# KiCad board Smart LED WS2812B Ring7.kicad_pcb (continued)
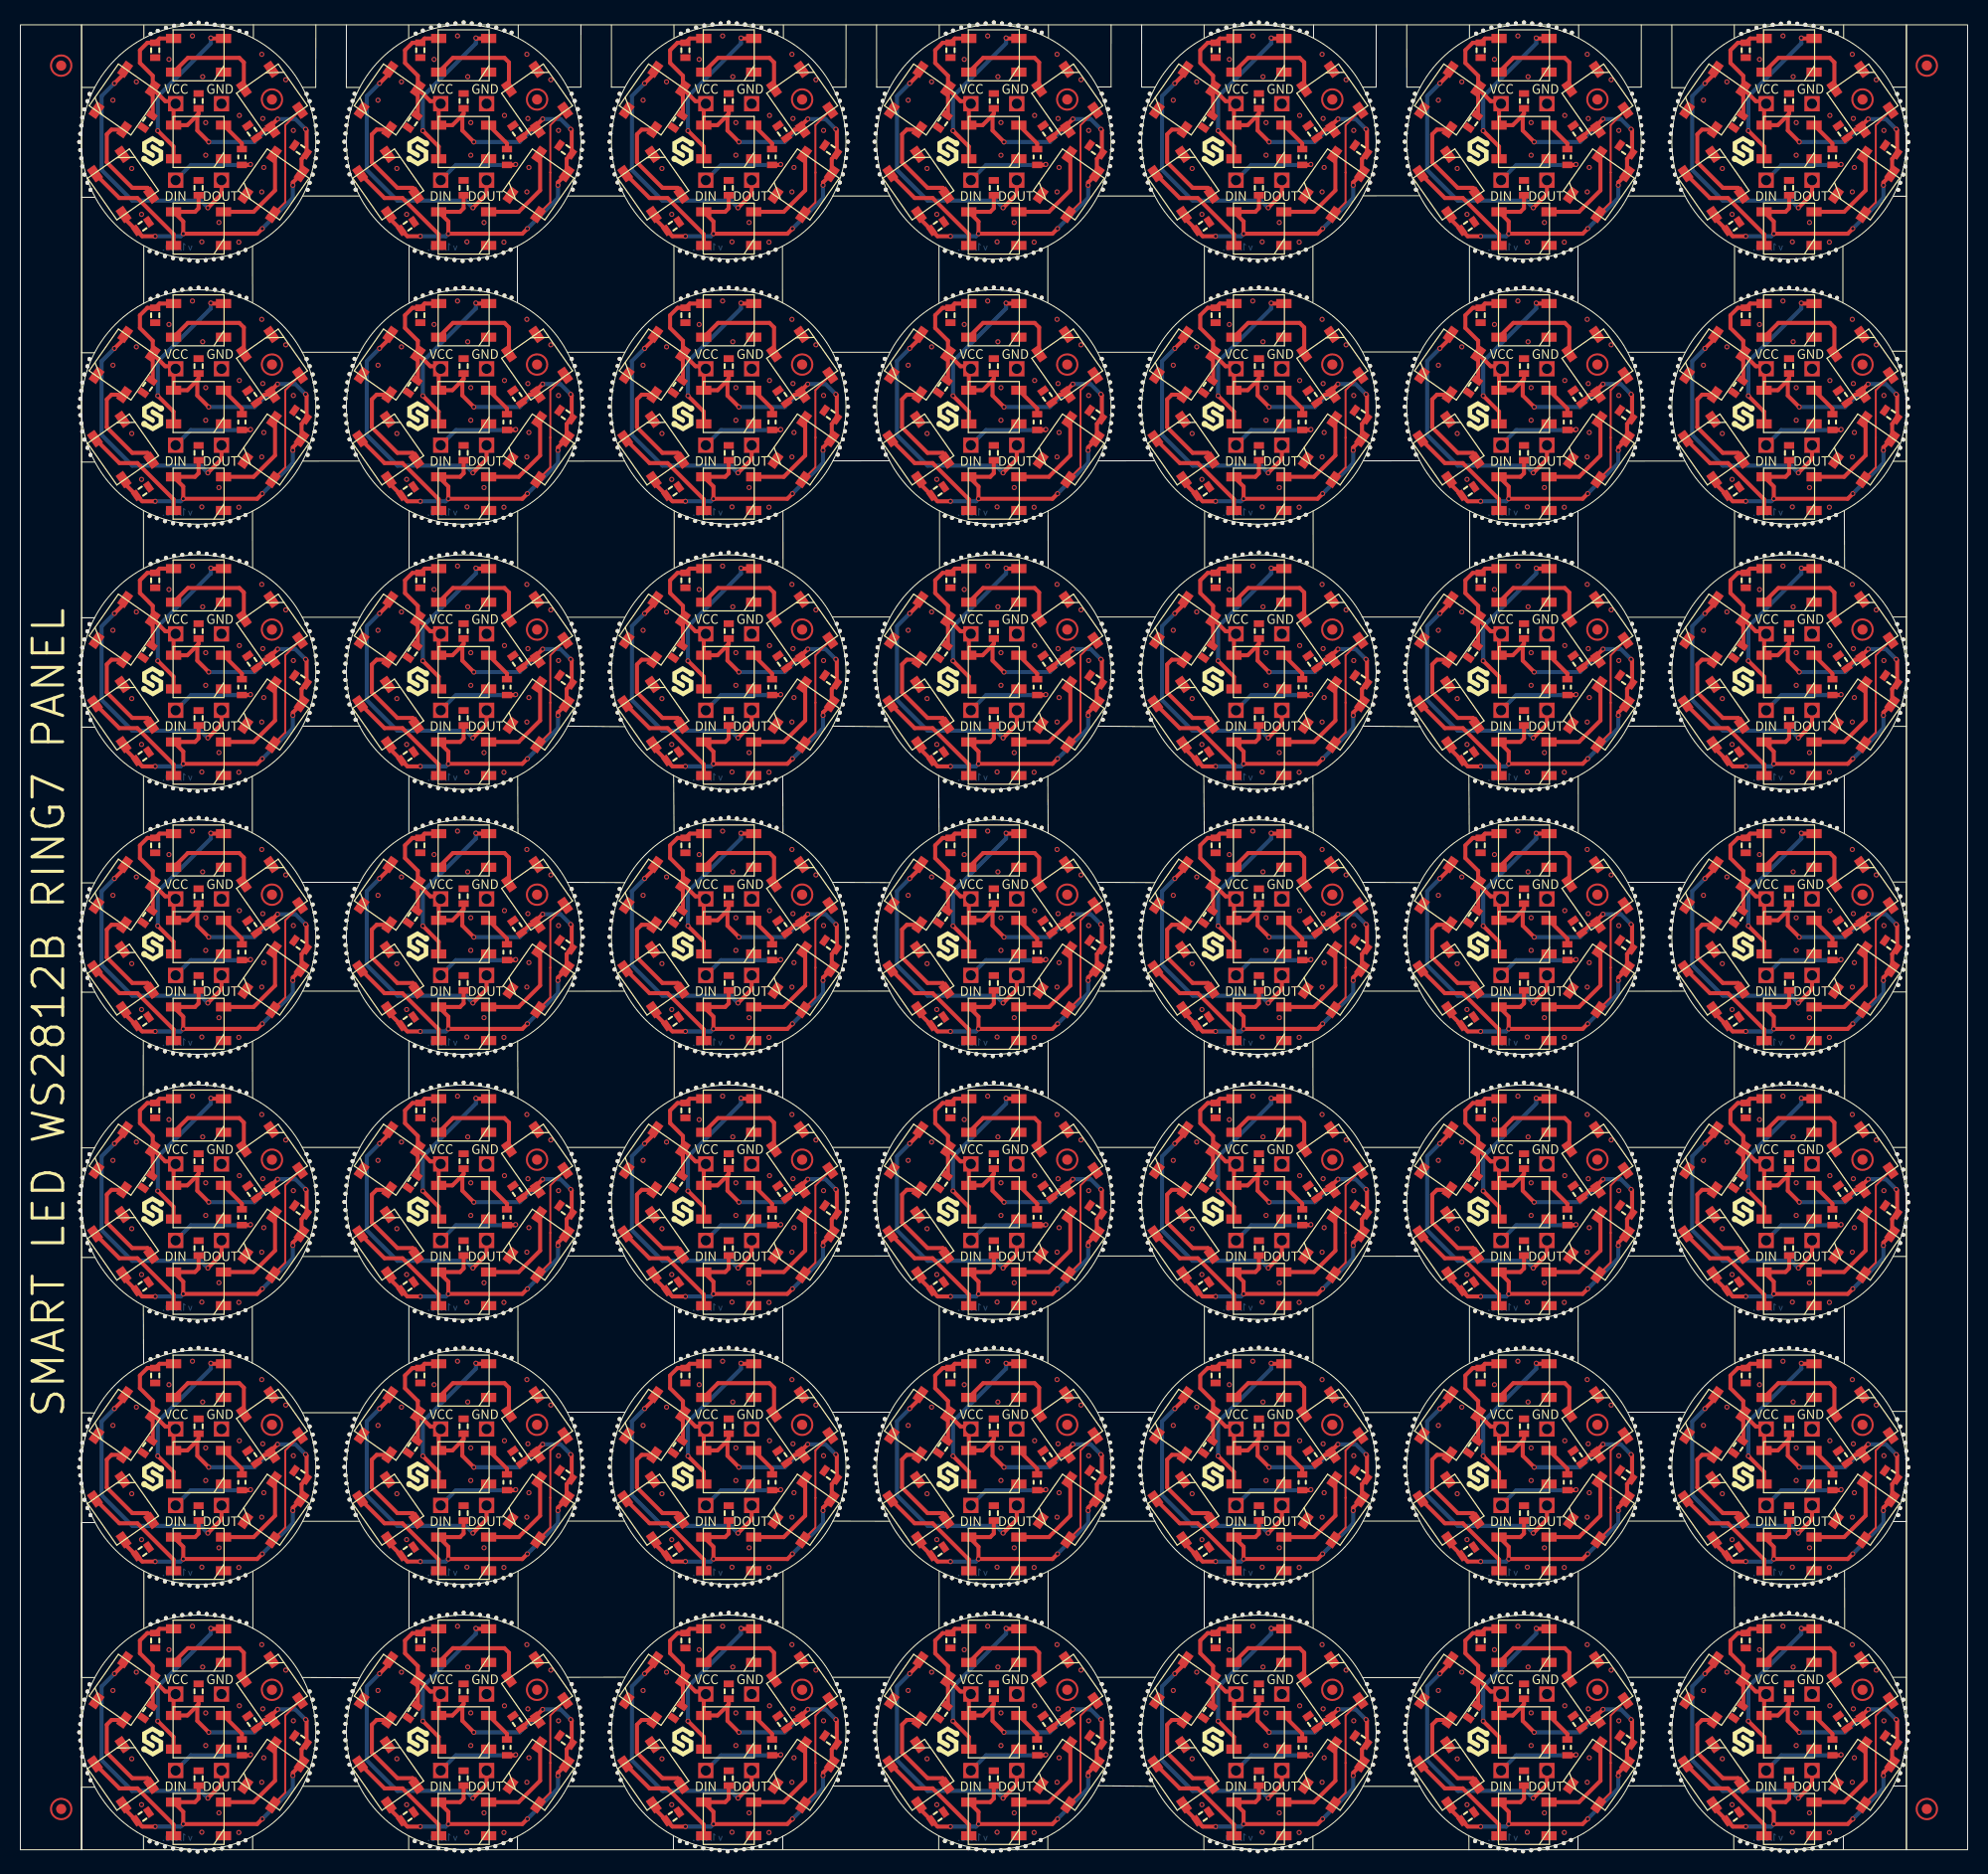
[diagram p0: board, top side]
## Nets (continued)
VCC: C1.1 C1#2.1 C1#3.1 C1#4.1 C1#5.1 C1#6.1 C1#7.1 C1#8.1 C1#9.1 C1#10.1 C1#11.1 C1#12.1 C1#13.1 C1#14.1 C1#15.1 C1#16.1 C1#17.1 C1#18.1 C1#19.1 C1#20.1 C1#21.1 C1#22.1 C1#23.1 C1#24.1 C1#25.1 C1#26.1 C1#27.1 C1#28.1 C1#29.1 C1#30.1 C1#31.1 C1#32.1 C1#33.1 C1#34.1 C1#35.1 C1#36.1 C1#37.1 C1#38.1 C1#39.1 C1#40.1 C1#41.1 C1#42.1 C1#43.1 C1#44.1 C1#45.1 C1#46.1 C1#47.1 C1#48.1 C1#49.1 C2.1 C2#2.1 C2#3.1 C2#4.1 C2#5.1 C2#6.1 C2#7.1 C2#8.1 C2#9.1 C2#10.1 C2#11.1 C2#12.1 C2#13.1 C2#14.1 C2#15.1 C2#16.1 C2#17.1 C2#18.1 C2#19.1 C2#20.1 C2#21.1 C2#22.1 C2#23.1 C2#24.1 C2#25.1 C2#26.1 C2#27.1 C2#28.1 C2#29.1 C2#30.1 C2#31.1 C2#32.1 C2#33.1 C2#34.1 C2#35.1 C2#36.1 C2#37.1 C2#38.1 C2#39.1 C2#40.1 C2#41.1 C2#42.1 C2#43.1 C2#44.1 C2#45.1 C2#46.1 C2#47.1 C2#48.1 C2#49.1 C3.1 C3#2.1 C3#3.1 C3#4.1 C3#5.1 C3#6.1 C3#7.1 C3#8.1 C3#9.1 C3#10.1 C3#11.1 C3#12.1 C3#13.1 C3#14.1 C3#15.1 C3#16.1 C3#17.1 C3#18.1 C3#19.1 C3#20.1 C3#21.1 C3#22.1 C3#23.1 C3#24.1 C3#25.1 C3#26.1 C3#27.1 C3#28.1 C3#29.1 C3#30.1 C3#31.1 C3#32.1 C3#33.1 C3#34.1 C3#35.1 C3#36.1 C3#37.1 C3#38.1 C3#39.1 C3#40.1 C3#41.1 C3#42.1 C3#43.1 C3#44.1 C3#45.1 C3#46.1 C3#47.1 C3#48.1 C3#49.1 C4.1 C4#2.1 C4#3.1 C4#4.1 C4#5.1 C4#6.1 C4#7.1 C4#8.1 C4#9.1 C4#10.1 C4#11.1 C4#12.1 C4#13.1 C4#14.1 C4#15.1 C4#16.1 C4#17.1 C4#18.1 C4#19.1 C4#20.1 C4#21.1 C4#22.1 C4#23.1 C4#24.1 C4#25.1 C4#26.1 C4#27.1 C4#28.1 C4#29.1 C4#30.1 C4#31.1 C4#32.1 C4#33.1 C4#34.1 C4#35.1 C4#36.1 C4#37.1 C4#38.1 C4#39.1 C4#40.1 C4#41.1 C4#42.1 C4#43.1 C4#44.1 C4#45.1 C4#46.1 C4#47.1 C4#48.1 C4#49.1 C5.1 C5#2.1 C5#3.1 C5#4.1 C5#5.1 C5#6.1 C5#7.1 C5#8.1 C5#9.1 C5#10.1 C5#11.1 C5#12.1 C5#13.1 C5#14.1 C5#15.1 C5#16.1 C5#17.1 C5#18.1 C5#19.1 C5#20.1 C5#21.1 C5#22.1 C5#23.1 C5#24.1 C5#25.1 C5#26.1 C5#27.1 C5#28.1 C5#29.1 C5#30.1 C5#31.1 C5#32.1 C5#33.1 C5#34.1 C5#35.1 C5#36.1 C5#37.1 C5#38.1 C5#39.1 C5#40.1 C5#41.1 C5#42.1 C5#43.1 C5#44.1 C5#45.1 C5#46.1 C5#47.1 C5#48.1 C5#49.1 C6.1 C6#2.1 C6#3.1 C6#4.1 C6#5.1 C6#6.1 C6#7.1 C6#8.1 C6#9.1 C6#10.1 C6#11.1 C6#12.1 C6#13.1 C6#14.1 C6#15.1 C6#16.1 C6#17.1 C6#18.1 C6#19.1 C6#20.1 C6#21.1 C6#22.1 C6#23.1 C6#24.1 C6#25.1 C6#26.1 C6#27.1 C6#28.1 C6#29.1 C6#30.1 C6#31.1 C6#32.1 C6#33.1 C6#34.1 C6#35.1 C6#36.1 C6#37.1 C6#38.1 C6#39.1 C6#40.1 C6#41.1 C6#42.1 C6#43.1 C6#44.1 C6#45.1 C6#46.1 C6#47.1 C6#48.1 C6#49.1 C7.1 C7#2.1 C7#3.1 C7#4.1 C7#5.1 C7#6.1 C7#7.1 C7#8.1 C7#9.1 C7#10.1 C7#11.1 C7#12.1 C7#13.1 C7#14.1 C7#15.1 C7#16.1 C7#17.1 C7#18.1 C7#19.1 C7#20.1 C7#21.1 C7#22.1 C7#23.1 C7#24.1 C7#25.1 C7#26.1 C7#27.1 C7#28.1 C7#29.1 C7#30.1 C7#31.1 C7#32.1 C7#33.1 C7#34.1 C7#35.1 C7#36.1 C7#37.1 C7#38.1 C7#39.1 C7#40.1 C7#41.1 C7#42.1 C7#43.1 C7#44.1 C7#45.1 C7#46.1 C7#47.1 C7#48.1 C7#49.1 LED1.1 LED1#2.1 LED1#3.1 LED1#4.1 LED1#5.1 LED1#6.1 LED1#7.1 LED1#8.1 LED1#9.1 LED1#10.1 LED1#11.1 LED1#12.1 LED1#13.1 LED1#14.1 LED1#15.1 LED1#16.1 LED1#17.1 LED1#18.1 LED1#19.1 LED1#20.1 LED1#21.1 LED1#22.1 LED1#23.1 LED1#24.1 LED1#25.1 LED1#26.1 LED1#27.1 LED1#28.1 LED1#29.1 LED1#30.1 LED1#31.1 LED1#32.1 LED1#33.1 LED1#34.1 LED1#35.1 LED1#36.1 LED1#37.1 LED1#38.1 LED1#39.1 LED1#40.1 LED1#41.1 LED1#42.1 LED1#43.1 LED1#44.1 LED1#45.1 LED1#46.1 LED1#47.1 LED1#48.1 LED1#49.1 LED2.1 LED2#2.1 LED2#3.1 LED2#4.1 LED2#5.1 LED2#6.1 LED2#7.1 LED2#8.1 LED2#9.1 LED2#10.1 LED2#11.1 LED2#12.1 LED2#13.1 LED2#14.1 LED2#15.1 LED2#16.1 LED2#17.1 LED2#18.1 LED2#19.1 LED2#20.1 LED2#21.1 LED2#22.1 LED2#23.1 LED2#24.1 LED2#25.1 LED2#26.1 LED2#27.1 LED2#28.1 LED2#29.1 LED2#30.1 LED2#31.1 LED2#32.1 LED2#33.1 LED2#34.1 LED2#35.1 LED2#36.1 LED2#37.1 LED2#38.1 LED2#39.1 LED2#40.1 LED2#41.1 LED2#42.1 LED2#43.1 LED2#44.1 LED2#45.1 LED2#46.1 LED2#47.1 LED2#48.1 LED2#49.1 LED3.1 LED3#2.1 LED3#3.1 LED3#4.1 LED3#5.1 LED3#6.1 LED3#7.1 LED3#8.1 LED3#9.1 LED3#10.1 LED3#11.1 LED3#12.1 LED3#13.1 LED3#14.1 LED3#15.1 LED3#16.1 LED3#17.1 LED3#18.1 LED3#19.1 LED3#20.1 LED3#21.1 LED3#22.1 LED3#23.1 LED3#24.1 LED3#25.1 LED3#26.1 LED3#27.1 LED3#28.1 LED3#29.1 LED3#30.1 LED3#31.1 LED3#32.1 LED3#33.1 LED3#34.1 LED3#35.1 LED3#36.1 LED3#37.1 LED3#38.1 LED3#39.1 LED3#40.1 LED3#41.1 LED3#42.1 LED3#43.1 LED3#44.1 LED3#45.1 LED3#46.1 LED3#47.1 LED3#48.1 LED3#49.1 LED4.1 LED4#2.1 LED4#3.1 LED4#4.1 LED4#5.1 LED4#6.1 LED4#7.1 LED4#8.1 LED4#9.1 LED4#10.1 LED4#11.1 LED4#12.1 LED4#13.1 LED4#14.1 LED4#15.1 LED4#16.1 LED4#17.1 LED4#18.1 LED4#19.1 LED4#20.1 LED4#21.1 LED4#22.1 LED4#23.1 LED4#24.1 LED4#25.1 LED4#26.1 LED4#27.1 LED4#28.1 LED4#29.1 LED4#30.1 LED4#31.1 LED4#32.1 LED4#33.1 LED4#34.1 LED4#35.1 LED4#36.1 LED4#37.1 LED4#38.1 LED4#39.1 LED4#40.1 LED4#41.1 LED4#42.1 LED4#43.1 LED4#44.1 LED4#45.1 LED4#46.1 LED4#47.1 LED4#48.1 LED4#49.1 LED5.1 LED5#2.1 LED5#3.1 LED5#4.1 LED5#5.1 LED5#6.1 LED5#7.1 LED5#8.1 LED5#9.1 LED5#10.1 LED5#11.1 LED5#12.1 LED5#13.1 LED5#14.1 LED5#15.1 LED5#16.1 LED5#17.1 LED5#18.1 LED5#19.1 LED5#20.1 LED5#21.1 LED5#22.1 LED5#23.1 LED5#24.1 LED5#25.1 LED5#26.1 LED5#27.1 LED5#28.1 LED5#29.1 LED5#30.1 LED5#31.1 LED5#32.1 LED5#33.1 LED5#34.1 LED5#35.1 LED5#36.1 LED5#37.1 LED5#38.1 LED5#39.1 LED5#40.1 LED5#41.1 LED5#42.1 LED5#43.1 LED5#44.1 LED5#45.1 LED5#46.1 LED5#47.1 LED5#48.1 LED5#49.1 LED6.1 LED6#2.1 LED6#3.1 LED6#4.1 LED6#5.1 LED6#6.1 LED6#7.1 LED6#8.1 LED6#9.1 LED6#10.1 LED6#11.1 LED6#12.1 LED6#13.1 LED6#14.1 LED6#15.1 LED6#16.1 LED6#17.1 LED6#18.1 LED6#19.1 LED6#20.1 LED6#21.1 LED6#22.1 LED6#23.1 LED6#24.1 LED6#25.1 LED6#26.1 LED6#27.1 LED6#28.1 LED6#29.1 LED6#30.1 LED6#31.1 LED6#32.1 LED6#33.1 LED6#34.1 LED6#35.1 LED6#36.1 LED6#37.1 LED6#38.1 LED6#39.1 LED6#40.1 LED6#41.1 LED6#42.1 LED6#43.1 LED6#44.1 LED6#45.1 LED6#46.1 LED6#47.1 LED6#48.1 LED6#49.1 LED7.1 LED7#2.1 LED7#3.1 LED7#4.1 LED7#5.1 LED7#6.1 LED7#7.1 LED7#8.1 LED7#9.1 LED7#10.1 LED7#11.1 LED7#12.1 LED7#13.1 LED7#14.1 LED7#15.1 LED7#16.1 LED7#17.1 LED7#18.1 LED7#19.1 LED7#20.1 LED7#21.1 LED7#22.1 LED7#23.1 LED7#24.1 LED7#25.1 LED7#26.1 LED7#27.1 LED7#28.1 LED7#29.1 LED7#30.1 LED7#31.1 LED7#32.1 LED7#33.1 LED7#34.1 LED7#35.1 LED7#36.1 LED7#37.1 LED7#38.1 LED7#39.1 LED7#40.1 LED7#41.1 LED7#42.1 LED7#43.1 LED7#44.1 LED7#45.1 LED7#46.1 LED7#47.1 LED7#48.1 LED7#49.1 PAD3.1 PAD3#2.1 PAD3#3.1 PAD3#4.1 PAD3#5.1 PAD3#6.1 PAD3#7.1 PAD3#8.1 PAD3#9.1 PAD3#10.1 PAD3#11.1 PAD3#12.1 PAD3#13.1 PAD3#14.1 PAD3#15.1 PAD3#16.1 PAD3#17.1 PAD3#18.1 PAD3#19.1 PAD3#20.1 PAD3#21.1 PAD3#22.1 PAD3#23.1 PAD3#24.1 PAD3#25.1 PAD3#26.1 PAD3#27.1 PAD3#28.1 PAD3#29.1 PAD3#30.1 PAD3#31.1 PAD3#32.1 PAD3#33.1 PAD3#34.1 PAD3#35.1 PAD3#36.1 PAD3#37.1 PAD3#38.1 PAD3#39.1 PAD3#40.1 PAD3#41.1 PAD3#42.1 PAD3#43.1 PAD3#44.1 PAD3#45.1 PAD3#46.1 PAD3#47.1 PAD3#48.1 PAD3#49.1 PAD6.1 PAD6#2.1 PAD6#3.1 PAD6#4.1 PAD6#5.1 PAD6#6.1 PAD6#7.1 PAD6#8.1 PAD6#9.1 PAD6#10.1 PAD6#11.1 PAD6#12.1 PAD6#13.1 PAD6#14.1 PAD6#15.1 PAD6#16.1 PAD6#17.1 PAD6#18.1 PAD6#19.1 PAD6#20.1 PAD6#21.1 PAD6#22.1 PAD6#23.1 PAD6#24.1 PAD6#25.1 PAD6#26.1 PAD6#27.1 PAD6#28.1 PAD6#29.1 PAD6#30.1 PAD6#31.1 PAD6#32.1 PAD6#33.1 PAD6#34.1 PAD6#35.1 PAD6#36.1 PAD6#37.1 PAD6#38.1 PAD6#39.1 PAD6#40.1 PAD6#41.1 PAD6#42.1 PAD6#43.1 PAD6#44.1 PAD6#45.1 PAD6#46.1 PAD6#47.1 PAD6#48.1 PAD6#49.1
Net-(LED1-Pad2): LED1.2 LED1#2.2 LED1#3.2 LED1#4.2 LED1#5.2 LED1#6.2 LED1#7.2 LED1#8.2 LED1#9.2 LED1#10.2 LED1#11.2 LED1#12.2 LED1#13.2 LED1#14.2 LED1#15.2 LED1#16.2 LED1#17.2 LED1#18.2 LED1#19.2 LED1#20.2 LED1#21.2 LED1#22.2 LED1#23.2 LED1#24.2 LED1#25.2 LED1#26.2 LED1#27.2 LED1#28.2 LED1#29.2 LED1#30.2 LED1#31.2 LED1#32.2 LED1#33.2 LED1#34.2 LED1#35.2 LED1#36.2 LED1#37.2 LED1#38.2 LED1#39.2 LED1#40.2 LED1#41.2 LED1#42.2 LED1#43.2 LED1#44.2 LED1#45.2 LED1#46.2 LED1#47.2 LED1#48.2 LED1#49.2 LED2.4 LED2#2.4 LED2#3.4 LED2#4.4 LED2#5.4 LED2#6.4 LED2#7.4 LED2#8.4 LED2#9.4 LED2#10.4 LED2#11.4 LED2#12.4 LED2#13.4 LED2#14.4 LED2#15.4 LED2#16.4 LED2#17.4 LED2#18.4 LED2#19.4 LED2#20.4 LED2#21.4 LED2#22.4 LED2#23.4 LED2#24.4 LED2#25.4 LED2#26.4 LED2#27.4 LED2#28.4 LED2#29.4 LED2#30.4 LED2#31.4 LED2#32.4 LED2#33.4 LED2#34.4 LED2#35.4 LED2#36.4 LED2#37.4 LED2#38.4 LED2#39.4 LED2#40.4 LED2#41.4 LED2#42.4 LED2#43.4 LED2#44.4 LED2#45.4 LED2#46.4 LED2#47.4 LED2#48.4 LED2#49.4
Net-(LED1-Pad4): LED1.4 LED1#2.4 LED1#3.4 LED1#4.4 LED1#5.4 LED1#6.4 LED1#7.4 LED1#8.4 LED1#9.4 LED1#10.4 LED1#11.4 LED1#12.4 LED1#13.4 LED1#14.4 LED1#15.4 LED1#16.4 LED1#17.4 LED1#18.4 LED1#19.4 LED1#20.4 LED1#21.4 LED1#22.4 LED1#23.4 LED1#24.4 LED1#25.4 LED1#26.4 LED1#27.4 LED1#28.4 LED1#29.4 LED1#30.4 LED1#31.4 LED1#32.4 LED1#33.4 LED1#34.4 LED1#35.4 LED1#36.4 LED1#37.4 LED1#38.4 LED1#39.4 LED1#40.4 LED1#41.4 LED1#42.4 LED1#43.4 LED1#44.4 LED1#45.4 LED1#46.4 LED1#47.4 LED1#48.4 LED1#49.4 R1.1 R1#2.1 R1#3.1 R1#4.1 R1#5.1 R1#6.1 R1#7.1 R1#8.1 R1#9.1 R1#10.1 R1#11.1 R1#12.1 R1#13.1 R1#14.1 R1#15.1 R1#16.1 R1#17.1 R1#18.1 R1#19.1 R1#20.1 R1#21.1 R1#22.1 R1#23.1 R1#24.1 R1#25.1 R1#26.1 R1#27.1 R1#28.1 R1#29.1 R1#30.1 R1#31.1 R1#32.1 R1#33.1 R1#34.1 R1#35.1 R1#36.1 R1#37.1 R1#38.1 R1#39.1 R1#40.1 R1#41.1 R1#42.1 R1#43.1 R1#44.1 R1#45.1 R1#46.1 R1#47.1 R1#48.1 R1#49.1
Net-(LED2-Pad2): LED2.2 LED2#2.2 LED2#3.2 LED2#4.2 LED2#5.2 LED2#6.2 LED2#7.2 LED2#8.2 LED2#9.2 LED2#10.2 LED2#11.2 LED2#12.2 LED2#13.2 LED2#14.2 LED2#15.2 LED2#16.2 LED2#17.2 LED2#18.2 LED2#19.2 LED2#20.2 LED2#21.2 LED2#22.2 LED2#23.2 LED2#24.2 LED2#25.2 LED2#26.2 LED2#27.2 LED2#28.2 LED2#29.2 LED2#30.2 LED2#31.2 LED2#32.2 LED2#33.2 LED2#34.2 LED2#35.2 LED2#36.2 LED2#37.2 LED2#38.2 LED2#39.2 LED2#40.2 LED2#41.2 LED2#42.2 LED2#43.2 LED2#44.2 LED2#45.2 LED2#46.2 LED2#47.2 LED2#48.2 LED2#49.2 LED3.4 LED3#2.4 LED3#3.4 LED3#4.4 LED3#5.4 LED3#6.4 LED3#7.4 LED3#8.4 LED3#9.4 LED3#10.4 LED3#11.4 LED3#12.4 LED3#13.4 LED3#14.4 LED3#15.4 LED3#16.4 LED3#17.4 LED3#18.4 LED3#19.4 LED3#20.4 LED3#21.4 LED3#22.4 LED3#23.4 LED3#24.4 LED3#25.4 LED3#26.4 LED3#27.4 LED3#28.4 LED3#29.4 LED3#30.4 LED3#31.4 LED3#32.4 LED3#33.4 LED3#34.4 LED3#35.4 LED3#36.4 LED3#37.4 LED3#38.4 LED3#39.4 LED3#40.4 LED3#41.4 LED3#42.4 LED3#43.4 LED3#44.4 LED3#45.4 LED3#46.4 LED3#47.4 LED3#48.4 LED3#49.4
Net-(LED3-Pad2): LED3.2 LED3#2.2 LED3#3.2 LED3#4.2 LED3#5.2 LED3#6.2 LED3#7.2 LED3#8.2 LED3#9.2 LED3#10.2 LED3#11.2 LED3#12.2 LED3#13.2 LED3#14.2 LED3#15.2 LED3#16.2 LED3#17.2 LED3#18.2 LED3#19.2 LED3#20.2 LED3#21.2 LED3#22.2 LED3#23.2 LED3#24.2 LED3#25.2 LED3#26.2 LED3#27.2 LED3#28.2 LED3#29.2 LED3#30.2 LED3#31.2 LED3#32.2 LED3#33.2 LED3#34.2 LED3#35.2 LED3#36.2 LED3#37.2 LED3#38.2 LED3#39.2 LED3#40.2 LED3#41.2 LED3#42.2 LED3#43.2 LED3#44.2 LED3#45.2 LED3#46.2 LED3#47.2 LED3#48.2 LED3#49.2 LED4.4 LED4#2.4 LED4#3.4 LED4#4.4 LED4#5.4 LED4#6.4 LED4#7.4 LED4#8.4 LED4#9.4 LED4#10.4 LED4#11.4 LED4#12.4 LED4#13.4 LED4#14.4 LED4#15.4 LED4#16.4 LED4#17.4 LED4#18.4 LED4#19.4 LED4#20.4 LED4#21.4 LED4#22.4 LED4#23.4 LED4#24.4 LED4#25.4 LED4#26.4 LED4#27.4 LED4#28.4 LED4#29.4 LED4#30.4 LED4#31.4 LED4#32.4 LED4#33.4 LED4#34.4 LED4#35.4 LED4#36.4 LED4#37.4 LED4#38.4 LED4#39.4 LED4#40.4 LED4#41.4 LED4#42.4 LED4#43.4 LED4#44.4 LED4#45.4 LED4#46.4 LED4#47.4 LED4#48.4 LED4#49.4
Net-(LED4-Pad2): LED4.2 LED4#2.2 LED4#3.2 LED4#4.2 LED4#5.2 LED4#6.2 LED4#7.2 LED4#8.2 LED4#9.2 LED4#10.2 LED4#11.2 LED4#12.2 LED4#13.2 LED4#14.2 LED4#15.2 LED4#16.2 LED4#17.2 LED4#18.2 LED4#19.2 LED4#20.2 LED4#21.2 LED4#22.2 LED4#23.2 LED4#24.2 LED4#25.2 LED4#26.2 LED4#27.2 LED4#28.2 LED4#29.2 LED4#30.2 LED4#31.2 LED4#32.2 LED4#33.2 LED4#34.2 LED4#35.2 LED4#36.2 LED4#37.2 LED4#38.2 LED4#39.2 LED4#40.2 LED4#41.2 LED4#42.2 LED4#43.2 LED4#44.2 LED4#45.2 LED4#46.2 LED4#47.2 LED4#48.2 LED4#49.2 LED5.4 LED5#2.4 LED5#3.4 LED5#4.4 LED5#5.4 LED5#6.4 LED5#7.4 LED5#8.4 LED5#9.4 LED5#10.4 LED5#11.4 LED5#12.4 LED5#13.4 LED5#14.4 LED5#15.4 LED5#16.4 LED5#17.4 LED5#18.4 LED5#19.4 LED5#20.4 LED5#21.4 LED5#22.4 LED5#23.4 LED5#24.4 LED5#25.4 LED5#26.4 LED5#27.4 LED5#28.4 LED5#29.4 LED5#30.4 LED5#31.4 LED5#32.4 LED5#33.4 LED5#34.4 LED5#35.4 LED5#36.4 LED5#37.4 LED5#38.4 LED5#39.4 LED5#40.4 LED5#41.4 LED5#42.4 LED5#43.4 LED5#44.4 LED5#45.4 LED5#46.4 LED5#47.4 LED5#48.4 LED5#49.4
Net-(LED5-Pad2): LED5.2 LED5#2.2 LED5#3.2 LED5#4.2 LED5#5.2 LED5#6.2 LED5#7.2 LED5#8.2 LED5#9.2 LED5#10.2 LED5#11.2 LED5#12.2 LED5#13.2 LED5#14.2 LED5#15.2 LED5#16.2 LED5#17.2 LED5#18.2 LED5#19.2 LED5#20.2 LED5#21.2 LED5#22.2 LED5#23.2 LED5#24.2 LED5#25.2 LED5#26.2 LED5#27.2 LED5#28.2 LED5#29.2 LED5#30.2 LED5#31.2 LED5#32.2 LED5#33.2 LED5#34.2 LED5#35.2 LED5#36.2 LED5#37.2 LED5#38.2 LED5#39.2 LED5#40.2 LED5#41.2 LED5#42.2 LED5#43.2 LED5#44.2 LED5#45.2 LED5#46.2 LED5#47.2 LED5#48.2 LED5#49.2 LED6.4 LED6#2.4 LED6#3.4 LED6#4.4 LED6#5.4 LED6#6.4 LED6#7.4 LED6#8.4 LED6#9.4 LED6#10.4 LED6#11.4 LED6#12.4 LED6#13.4 LED6#14.4 LED6#15.4 LED6#16.4 LED6#17.4 LED6#18.4 LED6#19.4 LED6#20.4 LED6#21.4 LED6#22.4 LED6#23.4 LED6#24.4 LED6#25.4 LED6#26.4 LED6#27.4 LED6#28.4 LED6#29.4 LED6#30.4 LED6#31.4 LED6#32.4 LED6#33.4 LED6#34.4 LED6#35.4 LED6#36.4 LED6#37.4 LED6#38.4 LED6#39.4 LED6#40.4 LED6#41.4 LED6#42.4 LED6#43.4 LED6#44.4 LED6#45.4 LED6#46.4 LED6#47.4 LED6#48.4 LED6#49.4
Net-(LED6-Pad2): LED6.2 LED6#2.2 LED6#3.2 LED6#4.2 LED6#5.2 LED6#6.2 LED6#7.2 LED6#8.2 LED6#9.2 LED6#10.2 LED6#11.2 LED6#12.2 LED6#13.2 LED6#14.2 LED6#15.2 LED6#16.2 LED6#17.2 LED6#18.2 LED6#19.2 LED6#20.2 LED6#21.2 LED6#22.2 LED6#23.2 LED6#24.2 LED6#25.2 LED6#26.2 LED6#27.2 LED6#28.2 LED6#29.2 LED6#30.2 LED6#31.2 LED6#32.2 LED6#33.2 LED6#34.2 LED6#35.2 LED6#36.2 LED6#37.2 LED6#38.2 LED6#39.2 LED6#40.2 LED6#41.2 LED6#42.2 LED6#43.2 LED6#44.2 LED6#45.2 LED6#46.2 LED6#47.2 LED6#48.2 LED6#49.2 LED7.4 LED7#2.4 LED7#3.4 LED7#4.4 LED7#5.4 LED7#6.4 LED7#7.4 LED7#8.4 LED7#9.4 LED7#10.4 LED7#11.4 LED7#12.4 LED7#13.4 LED7#14.4 LED7#15.4 LED7#16.4 LED7#17.4 LED7#18.4 LED7#19.4 LED7#20.4 LED7#21.4 LED7#22.4 LED7#23.4 LED7#24.4 LED7#25.4 LED7#26.4 LED7#27.4 LED7#28.4 LED7#29.4 LED7#30.4 LED7#31.4 LED7#32.4 LED7#33.4 LED7#34.4 LED7#35.4 LED7#36.4 LED7#37.4 LED7#38.4 LED7#39.4 LED7#40.4 LED7#41.4 LED7#42.4 LED7#43.4 LED7#44.4 LED7#45.4 LED7#46.4 LED7#47.4 LED7#48.4 LED7#49.4
Net-(LED7-Pad2): LED7.2 LED7#2.2 LED7#3.2 LED7#4.2 LED7#5.2 LED7#6.2 LED7#7.2 LED7#8.2 LED7#9.2 LED7#10.2 LED7#11.2 LED7#12.2 LED7#13.2 LED7#14.2 LED7#15.2 LED7#16.2 LED7#17.2 LED7#18.2 LED7#19.2 LED7#20.2 LED7#21.2 LED7#22.2 LED7#23.2 LED7#24.2 LED7#25.2 LED7#26.2 LED7#27.2 LED7#28.2 LED7#29.2 LED7#30.2 LED7#31.2 LED7#32.2 LED7#33.2 LED7#34.2 LED7#35.2 LED7#36.2 LED7#37.2 LED7#38.2 LED7#39.2 LED7#40.2 LED7#41.2 LED7#42.2 LED7#43.2 LED7#44.2 LED7#45.2 LED7#46.2 LED7#47.2 LED7#48.2 LED7#49.2 PAD5.1 PAD5#2.1 PAD5#3.1 PAD5#4.1 PAD5#5.1 PAD5#6.1 PAD5#7.1 PAD5#8.1 PAD5#9.1 PAD5#10.1 PAD5#11.1 PAD5#12.1 PAD5#13.1 PAD5#14.1 PAD5#15.1 PAD5#16.1 PAD5#17.1 PAD5#18.1 PAD5#19.1 PAD5#20.1 PAD5#21.1 PAD5#22.1 PAD5#23.1 PAD5#24.1 PAD5#25.1 PAD5#26.1 PAD5#27.1 PAD5#28.1 PAD5#29.1 PAD5#30.1 PAD5#31.1 PAD5#32.1 PAD5#33.1 PAD5#34.1 PAD5#35.1 PAD5#36.1 PAD5#37.1 PAD5#38.1 PAD5#39.1 PAD5#40.1 PAD5#41.1 PAD5#42.1 PAD5#43.1 PAD5#44.1 PAD5#45.1 PAD5#46.1 PAD5#47.1 PAD5#48.1 PAD5#49.1 PAD8.1 PAD8#2.1 PAD8#3.1 PAD8#4.1 PAD8#5.1 PAD8#6.1 PAD8#7.1 PAD8#8.1 PAD8#9.1 PAD8#10.1 PAD8#11.1 PAD8#12.1 PAD8#13.1 PAD8#14.1 PAD8#15.1 PAD8#16.1 PAD8#17.1 PAD8#18.1 PAD8#19.1 PAD8#20.1 PAD8#21.1 PAD8#22.1 PAD8#23.1 PAD8#24.1 PAD8#25.1 PAD8#26.1 PAD8#27.1 PAD8#28.1 PAD8#29.1 PAD8#30.1 PAD8#31.1 PAD8#32.1 PAD8#33.1 PAD8#34.1 PAD8#35.1 PAD8#36.1 PAD8#37.1 PAD8#38.1 PAD8#39.1 PAD8#40.1 PAD8#41.1 PAD8#42.1 PAD8#43.1 PAD8#44.1 PAD8#45.1 PAD8#46.1 PAD8#47.1 PAD8#48.1 PAD8#49.1
Net-(PAD2-Pad1): PAD2.1 PAD2#2.1 PAD2#3.1 PAD2#4.1 PAD2#5.1 PAD2#6.1 PAD2#7.1 PAD2#8.1 PAD2#9.1 PAD2#10.1 PAD2#11.1 PAD2#12.1 PAD2#13.1 PAD2#14.1 PAD2#15.1 PAD2#16.1 PAD2#17.1 PAD2#18.1 PAD2#19.1 PAD2#20.1 PAD2#21.1 PAD2#22.1 PAD2#23.1 PAD2#24.1 PAD2#25.1 PAD2#26.1 PAD2#27.1 PAD2#28.1 PAD2#29.1 PAD2#30.1 PAD2#31.1 PAD2#32.1 PAD2#33.1 PAD2#34.1 PAD2#35.1 PAD2#36.1 PAD2#37.1 PAD2#38.1 PAD2#39.1 PAD2#40.1 PAD2#41.1 PAD2#42.1 PAD2#43.1 PAD2#44.1 PAD2#45.1 PAD2#46.1 PAD2#47.1 PAD2#48.1 PAD2#49.1 PAD7.1 PAD7#2.1 PAD7#3.1 PAD7#4.1 PAD7#5.1 PAD7#6.1 PAD7#7.1 PAD7#8.1 PAD7#9.1 PAD7#10.1 PAD7#11.1 PAD7#12.1 PAD7#13.1 PAD7#14.1 PAD7#15.1 PAD7#16.1 PAD7#17.1 PAD7#18.1 PAD7#19.1 PAD7#20.1 PAD7#21.1 PAD7#22.1 PAD7#23.1 PAD7#24.1 PAD7#25.1 PAD7#26.1 PAD7#27.1 PAD7#28.1 PAD7#29.1 PAD7#30.1 PAD7#31.1 PAD7#32.1 PAD7#33.1 PAD7#34.1 PAD7#35.1 PAD7#36.1 PAD7#37.1 PAD7#38.1 PAD7#39.1 PAD7#40.1 PAD7#41.1 PAD7#42.1 PAD7#43.1 PAD7#44.1 PAD7#45.1 PAD7#46.1 PAD7#47.1 PAD7#48.1 PAD7#49.1 R1.2 R1#2.2 R1#3.2 R1#4.2 R1#5.2 R1#6.2 R1#7.2 R1#8.2 R1#9.2 R1#10.2 R1#11.2 R1#12.2 R1#13.2 R1#14.2 R1#15.2 R1#16.2 R1#17.2 R1#18.2 R1#19.2 R1#20.2 R1#21.2 R1#22.2 R1#23.2 R1#24.2 R1#25.2 R1#26.2 R1#27.2 R1#28.2 R1#29.2 R1#30.2 R1#31.2 R1#32.2 R1#33.2 R1#34.2 R1#35.2 R1#36.2 R1#37.2 R1#38.2 R1#39.2 R1#40.2 R1#41.2 R1#42.2 R1#43.2 R1#44.2 R1#45.2 R1#46.2 R1#47.2 R1#48.2 R1#49.2

Pads without a net: FD1 1; FD1#2 1; FD1#3 1; FD1#4 1; FD1#5 1; FD1#6 1; FD1#7 1; FD1#8 1; FD1#9 1; FD1#10 1; FD1#11 1; FD1#12 1; FD1#13 1; FD1#14 1; FD1#15 1; FD1#16 1; FD1#17 1; FD1#18 1; FD1#19 1; FD1#20 1; FD1#21 1; FD1#22 1; FD1#23 1; FD1#24 1; FD1#25 1; FD1#26 1; FD1#27 1; FD1#28 1; FD1#29 1; FD1#30 1; FD1#31 1; FD1#32 1; FD1#33 1; FD1#34 1; FD1#35 1; FD1#36 1; FD1#37 1; FD1#38 1; FD1#39 1; FD1#40 1; FD1#41 1; FD1#42 1; FD1#43 1; FD1#44 1; FD1#45 1; FD1#46 1; FD1#47 1; FD1#48 1; FD1#49 1; FD1#50 1; FD1#51 1; FD1#52 1; FD1#53 1

## Via types
v1: diameter 0.5, hole 0.3, Top to Bottom, 1519 vias
v2: diameter 1.3, hole 1, Top to Bottom, 196 vias
